# Altium PCB A_base2017.PcbDoc (part 1 of 4)
Units mil, origin at the board's own origin, x right, y up, seen from the top; angles counter-clockwise.
Board outline 7800.07 x 4185 mil, 2 copper layers (Top Layer, Bottom Layer); 147 components, 175 nets, 700 pads, 92 vias.
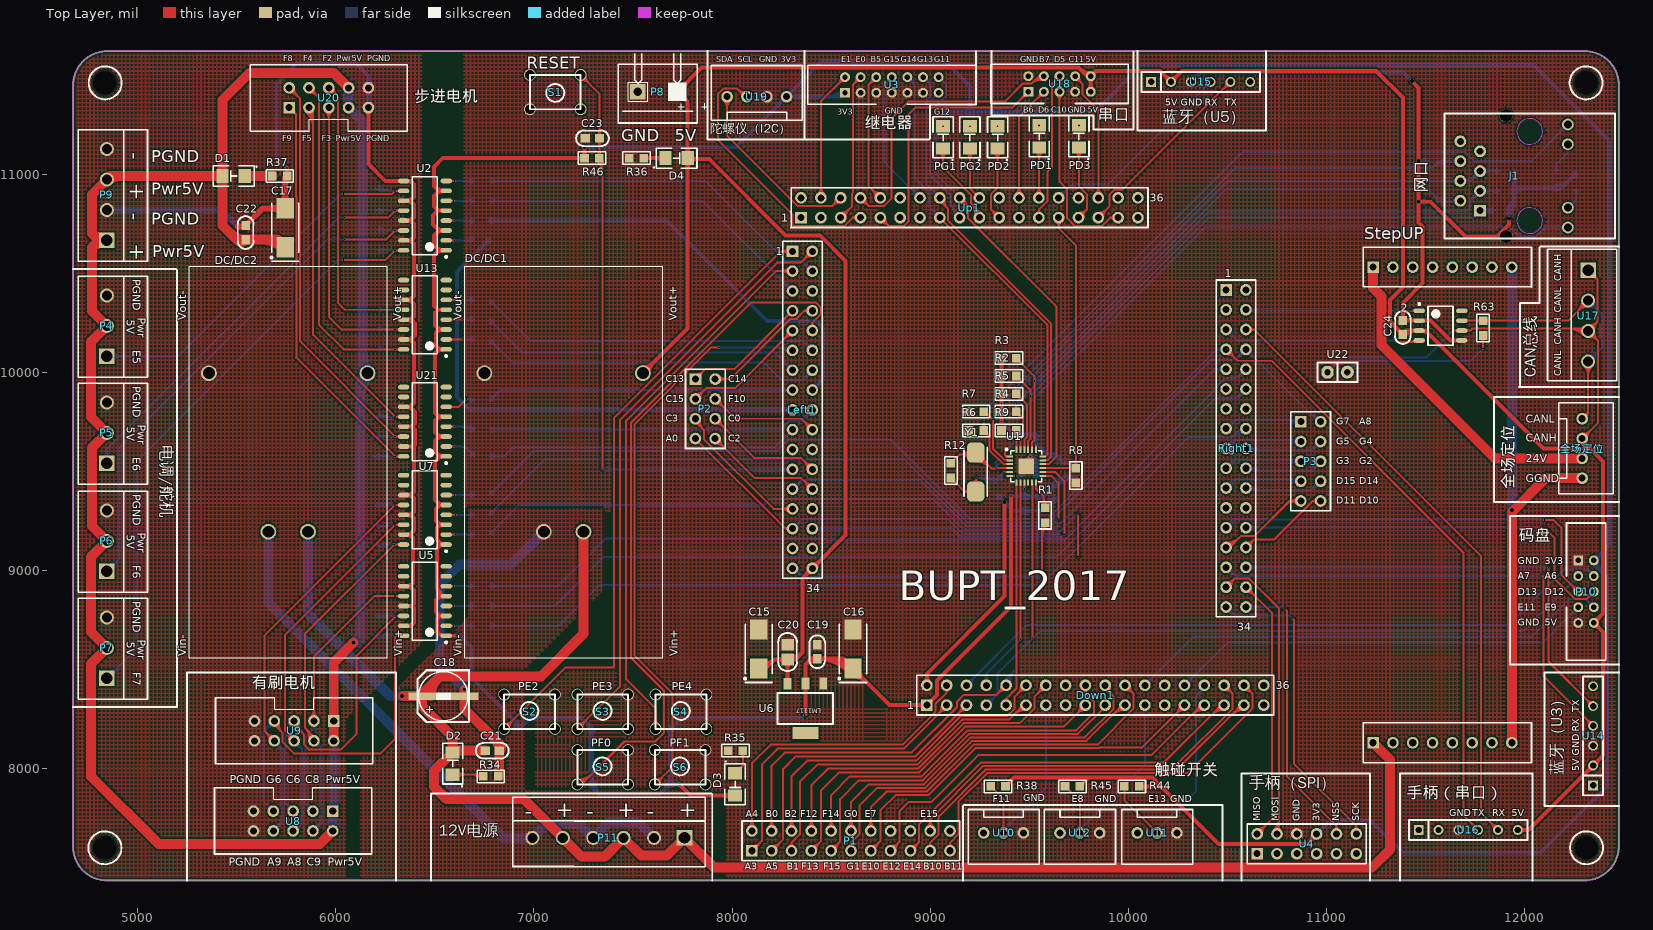
[diagram p0: Top Layer view]
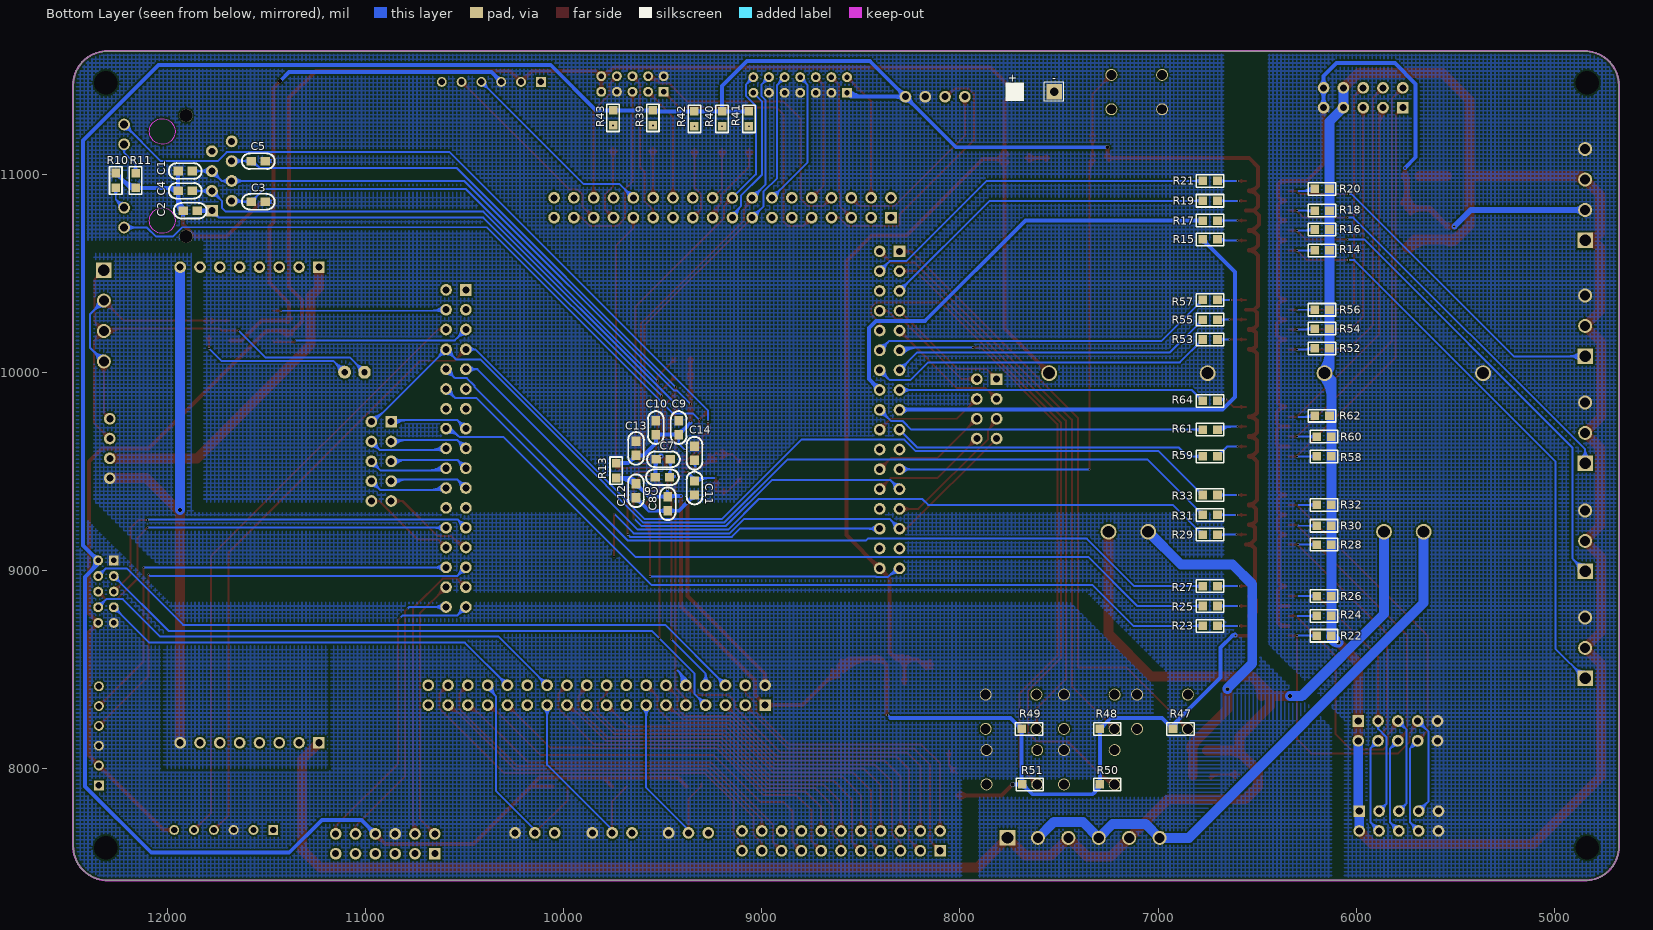
[diagram p1: Bottom Layer view, seen from below]

## Layer stack, top to bottom
Top Layer: signal copper 1.4
Dielectric: dielectric 12.6, FR-4, Dk 4.8
Bottom Layer: signal copper 1.4

## Board outline
4850,7435 cw(c4845,7605) 4674.93,7605 4675,7605 4675,11450 cw(c4847.5,11447.5) 4850,11620 12300,11620 cw(c12302.5,11447.5) 12475,11450 12475,7610 cw(c12300,7610) 12300,7435

## Design rules (kind name [scope] priority, off if disabled: settings)
Clearance [All] p1: gap=8
HoleSize [All] p1: absolutevalues=TRUE maxlimit=118.11 minlimit=1 maxpercent=80.000 minpercent=20.000
PolygonConnect [All] p1: connectstyle=Direct reliefconductorwidth=40 reliefentries=4 polygonreliefangle="45 Angle" airgapwidth=10
RoutingVias [All] p1: holewidth=10 width=50 viastyle="Through Hole" minholewidth=10 minwidth=50 maxholewidth=10 maxwidth=50
SolderMaskExpansion [All] p1: expansion=4
Width [All] p1: maxlimit=150 minlimit=8 preferedwidth=10
27 further rules are at their usual default settings.

## Components (designator, comment, footprint, x,y, rotation, side; value= is the part's Value field where it differs from the comment)
2 "TJA1050" TJA1050 11575,10235 r0 top
C1 "223" CAP-MLCC-0603 11945,11015 r180 bottom
C2 "10pF" CAP-MLCC-0603 11920,10815 r180 bottom
C3 "10pF" CAP-MLCC-0603 11505,10860 r0 bottom
C4 "10pF" CAP-MLCC-0603 11945,10915 r180 bottom
C5 "10pF" CAP-MLCC-0603 11505,11065 r0 bottom
C6 "0.1μF" CAP-MLCC-0603 9536.8,9470 r180 bottom
C7 "10μF" CAP-MLCC-0603 9531.8,9560 r180 bottom
C8 "0.1μF" CAP-MLCC-0603 9474.53,9300.79 r90 bottom
C9 "0.1μF" CAP-MLCC-0603 9419.53,9755.79 r270 bottom
C10 "0.1μF" CAP-MLCC-0603 9534.53,9755.79 r270 bottom
C11 "22pF" CAP-MLCC-0603 9339.53,9450.79 r270 bottom
C12 "0.1μF" CAP-MLCC-0603 9634.53,9365.79 r90 bottom
C13 "10μF" CAP-MLCC-0603 9634.53,9650.79 r270 bottom
C14 "22pF" CAP-MLCC-0603 9339.53,9555.79 r90 bottom
C15 "CAP-TAN" CAP-TAN-6032/CAPC 8135,8505 r270 top
C16 "CAP-TAN" CAP-TAN-6032/CAPC 8610,8505 r270 top
C17 "100uF" CAP-TAN-6032/CAPC 5745,10630 r270 top
C18 "100μF" SMD-EC-F6.3 6435,8365 r0 top
C19 "CAP" CAP-MLCC-0603 8430,8625 r270 top
C20 "CAP" CAP-MLCC-0805 8280,8625 r270 top
C21 "0.1μF" CAP-MLCC-0603 6825,8090 r180 top
C22 "0.1μF" CAP-MLCC-0603 5545,10740 r270 top
C23 "0.1μF" CAP-MLCC-0603 7260,11180 r0 top
C24 "0.1μF" CAP-MLCC-0603 11385,10190 r90 top
D1 "LED" LED-1206 5485,10990 r180 top
D2 "LED" LED-1206 6590,8025 r90 top
D3 "LED" LED-1206 8015,7920 r270 top
D4 "LED" LED-1206 7720,11080 r0 top
DC/DC1 "DC/DC" 12V→5V 6525,8920 r180 top
DC/DC2 "DC/DC" 12V→5V 5135,8920 r180 top
Down1 "Header 18X2" HDR2X18 8983.07,8319.91 r0 top
J1 "HR911105A" HR911105A 12025,10990 r270 top
Left1 "Header 17X2" HDR2X17 8305,10610 r270 top
P1 "Header 11X2" HDR2X11 8100,7585 r0 top
P2 "Header 4X2" HDR2X4 7815,9965 r270 top
P3 "Header 5X2" HDR2X5 10870,9750 r270 top
P4 "Header 3" Green_3P 4750,10155 r90 top
P5 "Header 3" Green_3P 4750,9615 r90 top
P6 "Header 3" Green_3P 4750,9070 r90 top
P7 "Header 3" Green_3P 4750,8530 r90 top
P8 "Header 2" PwrDock_Green 7625,11415 r0 top
P9 "Header 4" Green_4P 4750,10740 r90 top
P10 "Header 5X2" FC_2X5_2mm 12270,9050 r0 top
P11 "Header 6" Green_6P 7685,7555 r180 top
PD1 "LED" LED-1206 9550,11190 r90 top
PD2 "LED" LED-1206 9340,11185 r90 top
PD3 "LED" LED-1206 9750,11190 r90 top
PG1 "LED" LED-1206 9065,11185 r90 top
PG2 "LED" LED-1206 9200,11185 r90 top
R1 "510Ω" RES-0603 9580,9240 r90 top
R2 "49.9Ω" RES-0603 9434.53,9980.79 r180 top
R3 "49.9Ω" RES-0603 9434.53,10070.79 r180 top
R4 "49.9Ω" RES-0603 9434.53,9800.79 r180 top
R5 "49.9Ω" RES-0603 9434.53,9890.79 r180 top
R6 "10kΩ" RES-0603 9269.53,9705.79 r180 top
R7 "10kΩ" RES-0603 9269.53,9800.79 r180 top
R8 "10kΩ" RES-0603 9734.53,9515.79 r270 top
R9 "12.1kΩ" RES-0603 9434.53,9705.79 r180 top
R10 "510Ω" RES-0603 12260,11005 r270 bottom
R11 "510Ω" RES-0603 12160,10930 r90 bottom
R12 "1MΩ" RES-0603 9104.53,9540.79 r270 top
R13 "0Ω" RES-0603 9734.53,9465.79 r90 bottom
R14 "RES" RES-0603 6210,10615 r180 bottom
R15 "RES" RES-0603 6775,10670 r180 bottom
R16 "RES" RES-0603 6210,10720 r180 bottom
R17 "RES" RES-0603 6775,10765 r180 bottom
R18 "RES" RES-0603 6210,10815 r180 bottom
R19 "RES" RES-0603 6775,10865 r180 bottom
R20 "RES" RES-0603 6210,10925 r180 bottom
R21 "RES" RES-0603 6775,10965 r180 bottom
R22 "RES" RES-0603 6200,8670 r180 bottom
R23 "RES" RES-0603 6775,8720 r180 bottom
R24 "RES" RES-0603 6200,8770 r180 bottom
R25 "RES" RES-0603 6775,8820 r180 bottom
R26 "RES" RES-0603 6200,8870 r180 bottom
R27 "RES" RES-0603 6775,8920 r180 bottom
R28 "RES" RES-0603 6200,9130 r180 bottom
R29 "RES" RES-0603 6775,9180 r180 bottom
R30 "RES" RES-0603 6200,9225 r180 bottom
R31 "RES" RES-0603 6775,9280 r180 bottom
R32 "RES" RES-0603 6200,9330 r180 bottom
R33 "RES" RES-0603 6775,9380 r180 bottom
R34 "15KΩ" RES-0603 6820,7960 r180 top
R35 "RES" RES-0603 7980,8090 r0 top
R36 "RES" RES-0603 7555,11080 r180 top
R37 "5.1K" RES-0603 5755,10990 r180 top
R38 "RES" RES-0603 9305,7910 r0 top
R39 "RES" RES-0603 9550,11246 r90 bottom
R40 "RES" RES-0603 9200,11241 r90 bottom
R41 "RES" RES-0603 9065,11241 r90 bottom
R42 "RES" RES-0603 9340,11241 r90 bottom
R43 "RES" RES-0603 9750,11246 r90 bottom
R44 "RES" RES-0603 9980,7910 r0 top
R45 "RES" RES-0603 9680,7910 r0 top
R46 "10kΩ" RES-0603 7330,11080 r180 top
R47 "RES" RES-0603 6850,8200 r0 bottom
R48 "RES" RES-0603 7219.09,8200 r0 bottom
R49 "RES" RES-0603 7614.09,8200 r0 bottom
R50 "RES" RES-0603 7219.09,7920 r0 bottom
R51 "1K" RES-0603 7610,7920 r0 bottom
R52 "RES" RES-0603 6210,10120 r180 bottom
R53 "RES" RES-0603 6775,10165 r180 bottom
R54 "RES" RES-0603 6210,10220 r180 bottom
R55 "RES" RES-0603 6775,10265 r180 bottom
R56 "RES" RES-0603 6210,10315 r180 bottom
R57 "RES" RES-0603 6775,10365 r180 bottom
R58 "RES" RES-0603 6200,9575 r180 bottom
R59 "RES" RES-0603 6775,9575 r180 bottom
R60 "RES" RES-0603 6200,9675 r180 bottom
R61 "RES" RES-0603 6775,9710 r180 bottom
R62 "RES" RES-0603 6210,9780 r180 bottom
R63 "120Ω" RES-0603 11790,10260 r270 top
R64 "RES" RES-0603 6775,9855 r180 bottom
Right1 "Header 17X2" HDR2X17 10493.09,10415.17 r270 top
S1 "SW-PB" KEY 6980,11500 r0 top
S2 "SW-PB" KEY 7105.91,8200 r180 top
S3 "SW-PB" KEY 7475,8200 r180 top
S4 "SW-PB" KEY 7870,8200 r180 top
S5 "SW-PB" KEY 7475,7920 r180 top
S6 "SW-PB" KEY 7865.91,7920 r180 top
StepUP "DC_DC" DC_DC 11235,8130 r0 top
U1 "LAN8720A" QFN24 9484.53,9525.79 r0 top
U2 "TLP281-4" SOIC16 6450,10790 r180 top
U3 "Header 7X2" FC_2X7_2mm 8570,11410 r90 top
U4 "Header 6X2" HDR2X6 10650,7570 r0 top
U5 "TLP281-4" SOIC16 6450,8845 r180 top
U6 "tlv1117-3.3" LM1117 8380,8305 r180 top
U7 "TLP281-4" SOIC16 6450,9305 r180 top
U8 "Header 5X2" FC_2x5 5985,7785 r270 top
U9 "Header 5X2" FC_2x5 5990,8240 r270 top
U10 "Header 3" 2510_3P 9370,7675 r0 top
U11 "Header 3" 2510_3P 10145,7675 r0 top
U12 "Header 3" 2510_3P 9755,7675 r0 top
U13 "TLP281-4" SOIC16 6450,10290 r180 top
U14 "Header 6" SIP6 12345,7915 r90 top
U15 "Header 6" SIP6 10115,11465 r0 top
U16 "Header 6" SIP6 11465,7690 r0 top
U17 "Header 4" Green_4P 12415,10440 r270 top
U18 "Header 5X2" FC_2X5_2mm 9495,11415 r90 top
U19 "Header 4" 2510_4P 8175,11390 r180 top
U20 "Header 5X2" FC_2x5 5765,11335 r90 top
U21 "TLP281-4" SOIC16 6450,9750 r180 top
U22 "Header 2" SIP2 11105,10000 r180 top
Up1 "Header 18X2" HDR2X18 8348.15,10779.94 r0 top
Y1 "25MHz" Osc-6032 9229.53,9495.79 r270 top
全场定位 "Header 4" 2510_4P 12290,9565 r90 top

## Footprints (in the part's own frame and the unit in brackets; to place one, negate y for a bottom-side part, rotate by r counter-clockwise, add the part's x,y. Pads: shape width x height; smd on the part's side, far side on the other; paste and mask are expansions set on the pad)
12V→5V [mil]
  round 80 hole 60: Vin+(-725,-275) Vin-(-525,-275) Vout+(-1025,-1075) Vout-(-225,-1075)
  silkscreen extent -1125,-1615 -125,360
2510_3P [mm] "白色线座（我们用的真的是白色的！）"
  round 1.5 hole 0.9: 1(-2.54,0) 2(0,0) 3(2.54,0)
  silkscreen extent -4.54,-4 4.57,3
2510_4P [mm] "白色线座"
  round 1.5 hole 0.9: 1(-2.54,0) 2(0,0) 3(2.54,0) 4(5.08,0)
  silkscreen extent -4.54,-4 7.11,3
CAP-MLCC-0603 [mm]
  rect 1.2x1.1 smd: 1(0,0) 2(1.8,0)
  silkscreen extent -1.2,-1 3,1, body extent 0.02,-0.48 1.77,0.47, height 0.85
CAP-MLCC-0805 [mm]
  rect 1.5x1.6 smd: 1(0,0) 2(1.9,0)
  silkscreen extent -1.5,-1.2 3.4,1.2, body extent -0.15,-0.73 2.05,0.72, height 1.1
CAP-TAN-6032/CAPC [mm]
  rect 2.6x2.2 smd: 1(0,0) 2(-5,0)
  silkscreen extent -5.65,-1.87 1.8,1.75
DC_DC [mm]
  rect 1.5x1.5 hole 0.9: 1(0,0) 3(0,60.96)
  round 1.5 hole 0.9: 2(17.78,0) 3(2.54,0) 4(17.78,60.96) 5(5.08,0) 5(5.08,60.96) 7(7.62,0) 7(7.62,60.96) 9(10.16,0) 9(10.16,60.96) 11(12.7,0) 11(12.7,60.96) 13(15.24,0) 13(15.24,60.96) 22(2.54,60.96)
  silkscreen extent -1.27,-2.54 20.32,63.5
FC_2x5 [mm] "Connector; Header; 6x2 Position"
  rect 1.5x1.5 hole 0.9: 1(0,0)
  round 1.5 hole 0.9: 2(2.54,0) 3(0,-2.54) 4(2.54,-2.54) 5(0,-5.08) 6(2.54,-5.08) 7(0,-7.62) 8(2.54,-7.62) 9(0,-10.16) 10(2.54,-10.16)
  silkscreen extent -3,-15.16 5.5,5
FC_2X5_2mm [mm]
  rect 1.27x1.27 hole 0.7: 1(0,0)
  round 1.27 hole 0.7: 2(2,0) 3(0,-2) 4(2,-2) 5(0,-4) 6(2,-4) 7(0,-6) 8(2,-6) 9(0,-8) 10(2,-8)
  silkscreen extent -1.5,-12.8 3.5,4.8
FC_2X7_2mm [mm]
  rect 1.27x1.27 hole 0.7: 1(0,0)
  round 1.27 hole 0.7: 2(2,0) 3(0,-2) 4(2,-2) 5(0,-4) 6(2,-4) 7(0,-6) 8(2,-6) 9(0,-8) 10(2,-8) 11(0,-10) 12(2,-10) 13(0,-12) 14(2,-12)
  silkscreen extent -1.5,-16.8 3.5,4.8
Green_3P [mm]
  rect 2x2 hole 1.5: 1(-1.905,-2.413)
  round 1.8 hole 1.3: 2(1.995,-2.413) 3(5.895,-2.413)
  silkscreen extent -4.57,-7.62 8.38,1.27
Green_4P [mm]
  rect 2x2 hole 1.5: 1(-1.905,-2.413)
  round 1.8 hole 1.3: 2(1.995,-2.413) 3(5.895,-2.413) 4(9.795,-2.413)
  silkscreen extent -4.57,-7.62 12.28,1.27
Green_6P [mm]
  rect 2x2 hole 1.5: 1(-1.905,-2.413)
  round 1.8 hole 1.3: 2(1.995,-2.413) 3(5.895,-2.413) 4(9.795,-2.413) 5(13.695,-2.413) 6(17.595,-2.413)
  silkscreen extent -4.57,-7.63 20.12,1.27
HDR2X4 [mm] "Connector; Header; 4x2 Position"
  rect 1.5x1.5 hole 0.9: 1(0,0)
  round 1.5 hole 0.9: 2(0,2.54) 3(2.54,0) 4(2.54,2.54) 5(5.08,0) 6(5.08,2.54) 7(7.62,0) 8(7.62,2.54)
  silkscreen extent -1.27,-1.27 8.89,3.81
HDR2X5 [mm] "Connector; Header; 5x2 Position"
  rect 1.5x1.5 hole 0.9: 1(0,0)
  round 1.5 hole 0.9: 2(0,2.54) 3(2.54,0) 4(2.54,2.54) 5(5.08,0) 6(5.08,2.54) 7(7.62,0) 8(7.62,2.54) 9(10.16,0) 10(10.16,2.54)
  silkscreen extent -1.27,-1.27 11.43,3.81
HDR2X6 [mm] "Connector; Header; 6x2 Position"
  rect 1.5x1.5 hole 0.9: 1(0,0)
  round 1.5 hole 0.9: 2(0,2.54) 3(2.54,0) 4(2.54,2.54) 5(5.08,0) 6(5.08,2.54) 7(7.62,0) 8(7.62,2.54) 9(10.16,0) 10(10.16,2.54) 11(12.7,0) 12(12.7,2.54)
  silkscreen extent -1.27,-1.27 13.97,3.81
HDR2X11 [mm] "Connector; Header; 11x2 Position"
  rect 1.5x1.5 hole 0.9: 1(0,0)
  round 1.5 hole 0.9: 2(0,2.54) 3(2.54,0) 4(2.54,2.54) 5(5.08,0) 6(5.08,2.54) 7(7.62,0) 8(7.62,2.54) 9(10.16,0) 10(10.16,2.54) 11(12.7,0) 12(12.7,2.54) 13(15.24,0) 14(15.24,2.54) 15(17.78,0) 16(17.78,2.54) 17(20.32,0) 18(20.32,2.54) 19(22.86,0) 20(22.86,2.54) 21(25.4,0) 22(25.4,2.54)
  silkscreen extent -1.27,-1.27 26.67,3.81
HDR2X17 [mm] "Connector; Header; 17x2 Position"
  rect 1.5x1.5 hole 0.9: 1(0,0)
  round 1.5 hole 0.9: 2(0,2.54) 3(2.54,0) 4(2.54,2.54) 5(5.08,0) 6(5.08,2.54) 7(7.62,0) 8(7.62,2.54) 9(10.16,0) 10(10.16,2.54) 11(12.7,0) 12(12.7,2.54) 13(15.24,0) 14(15.24,2.54) 15(17.78,0) 16(17.78,2.54) 17(20.32,0) 18(20.32,2.54) 19(22.86,0) 20(22.86,2.54) 21(25.4,0) 22(25.4,2.54) 23(27.94,0) 24(27.94,2.54) 25(30.48,0) 26(30.48,2.54) 27(33.02,0) 28(33.02,2.54) 29(35.56,0) 30(35.56,2.54) 31(38.1,0) 32(38.1,2.54) 33(40.64,0) 34(40.64,2.54)
  silkscreen extent -1.27,-1.27 41.91,3.81
HDR2X18 [mm] "Connector; Header; 18x2 Position"
  rect 1.5x1.5 hole 0.9: 1(0,0)
  round 1.5 hole 0.9: 2(0,2.54) 3(2.54,0) 4(2.54,2.54) 5(5.08,0) 6(5.08,2.54) 7(7.62,0) 8(7.62,2.54) 9(10.16,0) 10(10.16,2.54) 11(12.7,0) 12(12.7,2.54) 13(15.24,0) 14(15.24,2.54) 15(17.78,0) 16(17.78,2.54) 17(20.32,0) 18(20.32,2.54) 19(22.86,0) 20(22.86,2.54) 21(25.4,0) 22(25.4,2.54) 23(27.94,0) 24(27.94,2.54) 25(30.48,0) 26(30.48,2.54) 27(33.02,0) 28(33.02,2.54) 29(35.56,0) 30(35.56,2.54) 31(38.1,0) 32(38.1,2.54) 33(40.64,0) 34(40.64,2.54) 35(43.18,0) 36(43.18,2.54)
  silkscreen extent -1.27,-1.27 44.45,3.81
HR911105A [mm]
  rect 1.524x1.524 hole 0.889: 1(4.45,-6.35)
  round 1.524 hole 0.889: 2(3.18,-8.89) 3(1.91,-6.35) 4(0.64,-8.89) 5(-0.63,-6.35) 6(-1.9,-8.89) 7(-3.17,-6.35) 8(-4.44,-8.89)
  round 1.5 hole 1.02: 9(6.6,4.9) 10(4.064,4.9) 11(-4.064,4.9) 12(-6.6,4.9)
  round 1.7 hole 1.65: 13(7.75,-3.048) 14(-7.75,-3.048)
  Keep-Out Layer circle w0.051: c5.716,0 r1.65
  Keep-Out Layer circle w0.051: c-5.714,0 r1.65
  silkscreen extent -8,-10.92 8,10.92
KEY [mil]
  round 60 hole 50: 0(0,0) 1(255.91,0) 2(0,-173.23) 3(255.91,-173.23)
  silkscreen extent 0,-173 256,0
LED-1206 [mil]
  rect 62x70 smd: 1(56,0) 2(-56,0)
  silkscreen extent -116,-51 103,51
LM1117 [mm]
  rect 1x1.5 smd: 1(-2.043,-3.148) 2(0.256,-3.148) 3(2.53,-3.123)
  rect 3.3x1.549 smd: 4(0.254,3.175)
  silkscreen extent -3.3,-1.91 3.81,2.03
Osc-6032 [mm]
  rrect50% 2.6x2.2 smd: 1(-2.5,0) 2(2.5,0)
  silkscreen extent -3.2,-1.5 3.1,1.5
PwrDock_Green [mm]
  rect 2x2 hole 1.1: 1(-2.54,0) 2(2.54,0)
  silkscreen extent -5.08,-4 6.38,4.86
QFN24 [mm]
  rect 0.8x0.25 smd: 1(-2.101,1.25) 2(-2.101,0.75) 3(-2.101,0.25) 4(-2.101,-0.25) 5(-2.101,-0.75) 6(-2.101,-1.25) 13(2.101,-1.25) 14(2.101,-0.75) 15(2.101,-0.25) 16(2.101,0.25) 17(2.101,0.75) 18(2.101,1.25)
  rect 0.25x0.8 smd: 7(-1.25,-2.101) 8(-0.75,-2.101) 9(-0.25,-2.101) 10(0.25,-2.101) 11(0.75,-2.101) 12(1.25,-2.101) 19(1.25,2.101) 20(0.75,2.101) 21(0.25,2.101) 22(-0.25,2.101) 23(-0.75,2.101) 24(-1.25,2.101)
  rect 2x2 smd: 25(0,0)
  silkscreen extent -2.66,-2 2,2.28
RES-0603 [mm]
  rect 1.1x1.1 smd: 1(0,0) 2(1.9,0)
  silkscreen extent -0.8,-0.8 2.7,0.8, body extent 0.1,-0.48 1.8,0.47, height 0.6
SIP2 [mil]
  round 65 hole 32: 1(0,0)
  oct 62x62 hole 32: 2(100,0)
  silkscreen extent -50,-50 150,50
SIP6 [mil]
  rect 50x50 hole 32: 1(0,0)
  round 50 hole 32: 2(100,0) 3(200,0) 4(300,0) 5(400,0) 6(500,0)
  silkscreen extent -50,-50 550,50
SMD-EC-F6.3 [mm]
  rect 3.5x1 smd: 1(0,0) 2(5.475,0)
  silkscreen extent -0.56,-3.31 6.04,3.31
SOIC16 [mm] "SOIC, 16-Leads, Body 9.90x3.90mm, Pitch 1.27mm, IPC Medium Density"
  oval 1.45x0.6 smd: 1(-2.725,4.445) 2(-2.725,3.175) 3(-2.725,1.905) 4(-2.725,0.635) 5(-2.725,-0.635) 6(-2.725,-1.905) 7(-2.725,-3.175) 8(-2.725,-4.445) 9(2.725,-4.445) 10(2.725,-3.175) 11(2.725,-1.905) 12(2.725,-0.635) 13(2.725,0.635) 14(2.725,1.905) 15(2.725,3.175) 16(2.725,4.445)
  silkscreen extent -2.85,-5 1.6,5.42, body extent -2,-5 2,5, height 1.75
TJA1050 [mm] "SOIC, 8-Leads, Body 4.90x3.90mm, Pitch 1.27mm, IPC Medium Density"
  oval 1.45x0.6 smd: 1(-2.725,1.905) 2(-2.725,0.635) 3(-2.725,-0.635) 4(-2.725,-1.905) 5(2.725,-1.905) 6(2.725,-0.635) 7(2.725,0.635) 8(2.725,1.905)
  silkscreen extent -2.85,-2.5 1.6,2.88, body extent -2,-2.5 2,2.5, height 1.75

## Part data
C1 C2 C3 C4 C5 C6 C7 C8 C9 C10 C11 C12 C13 C14 C21 C22 C23 C24: library part CAP
C17: library part CAP-TAN
C18: library part CAP-ELE, "电解电容"
DC/DC1 DC/DC2: "12ת5"
Down1 Up1: "Header, 18-Pin, Dual row"
Left1 Right1: "Header, 17-Pin, Dual row"
P1: "Header, 11-Pin, Dual row"
P2: "Header, 4-Pin, Dual row"
P3 P10 U8 U9 U18 U20: "Header, 5-Pin, Dual row"
P4 P5 P6 P7 U10 U11 U12: "Header, 3-Pin"
P8 U22: "Header, 2-Pin"
P9 U17 U19 全场定位: "Header, 4-Pin"
P11 U14 U15 U16: "Header, 6-Pin"
R1 R2 R3 R4 R5 R6 R7 R8 R9 R10 R11 R12 R13 R34 R37 R46 R51 R63: library part RES, "电阻"
R14 R15 R16 R17 R18 R19 R20 R21 R22 R23 R24 R25 R26 R27 R28 R29 R30 R31 R32 R33 R35 R36 R38 R39 R40 R41 R42 R43 R44 R45 R47 R48 R49 R50 R52 R53 R54 R55 R56 R57 R58 R59 R60 R61 R62 R64: "电阻"
S1 S2 S3 S4 S5 S6: "按钮"
U1: library part LAN8720, "ETH PHY"
U2 U5 U7 U13 U21: library part IC-TLP521-4, "TLP521-4,TLP281-4"
U3: "Header, 7-Pin, Dual row"
U4: "Header, 6-Pin, Dual row"
U6: library part LM1117IMP-5.0, "800mA Low-Dropout Linear Regulator"
Y1: library part C-Osc, "Crystal Oscillator"

## Free pads (board coordinates)
  round 30 hole 118.11: 0(4835,7600) 0(4835,11460) 0(12310,7600) 0(12310,11460)

## Via types
v1: diameter 10, hole 10, Top Layer to Bottom Layer, 80 vias
v2: diameter 20, hole 20, Top Layer to Bottom Layer, 11 vias
v3: diameter 12, hole 12, Top Layer to Bottom Layer, 1 vias

## Nets (pads, with @x,y where several pads share a name; then routed paths per layer and width w, separated by ;. In a path a pad name is that pad's centre, name@x,y a point inside that pad or via, vN(x,y) a via of type N, cw(c..) or ccw(c..) an arc to the next point about the centre after c; other vN are vias at no path point)
3V3: C8.2 C12.2 C16.1 C19.2 D3.1 Down1.1 P10.2 R13.1 R38.2 R39.2 R40.2 R41.2 R42.2 R43.2 R44.2 R45.2 R46.2 R47.2 R48.2 R49.2 R50.2 R51.2 U1.9 U2.1 U2.3 U2.5 U2.7 U3.1 U4.8 U5.1 U5.3 U5.5 U6.2 U7.1 U7.3 U7.5 U13.1 U13.3 U13.5 U19.1 U21.1 U21.3 U21.5 | length 26685.1
  Top Layer w10: v1(8365,8270) 8370,8275 ; 9474.69,9415.11 ccw(c9481.92,9415.11) v1(9476.8,9410) 9474.68,9412.12 U1.9@9474.68,9443.06
  Top Layer w20: 6502.38,9657.38 cw(c6540.55,9619.2) U21.3@6540.55,9673.19 ; 6502.38,9692.62 ccw(c6540.55,9730.8) U21.3@6540.55,9676.81 ; 6502.38,9757.38 cw(c6540.55,9719.2) U21.5@6540.55,9773.19 ; 6502.38,9792.62 ccw(c6540.55,9830.8) U21.5@6540.55,9776.81 ; 6502.38,10097.38 cw(c6540.55,10059.2) U13.1@6540.55,10113.19 ; 6502.38,10232.62 ccw(c6540.55,10270.8) U13.3@6540.55,10216.81 ; 6502.38,10597.38 cw(c6540.55,10559.2) U2.1@6540.55,10613.19 ; 6502.38,10632.62 ccw(c6540.55,10670.8) U2.1@6540.55,10616.81 ; 6502.38,10697.38 cw(c6540.55,10659.2) U2.3@6540.55,10713.19 ; 6502.38,10732.62 ccw(c6540.55,10770.8) U2.3@6540.55,10716.81 ; 6502.38,10897.38 cw(c6540.55,10859.2) U2.7@6540.55,10913.19 ; 6502.38,10932.62 ccw(c6540.55,10970.8) U2.7@6540.55,10916.81 ; 6510.91,8755.91 cw(c6540.55,8726.27) U5.3@6540.55,8768.19 ; 6510.91,8784.09 ccw(c6540.55,8813.73) U5.3@6540.55,8771.81 ; 6510.91,8855.91 cw(c6540.55,8826.27) U5.5@6540.55,8868.19 ; 6510.91,9215.91 cw(c6540.55,9186.27) U7.3@6540.55,9228.19 ; 6510.91,9244.09 ccw(c6540.55,9273.73) U7.3@6540.55,9231.81 ; 6510.91,9315.91 cw(c6540.55,9286.27) U7.5@6540.55,9328.19 ; 6510.91,9344.09 ccw(c6540.55,9373.73) U7.5@6540.55,9331.81 ; 6510.91,9560.91 cw(c6540.55,9531.27) U21.1@6540.55,9573.19 ; 6510.91,9589.09 ccw(c6540.55,9618.73) U21.1@6540.55,9576.81 ; 6519.45,8680.55 ccw(c6540.55,8701.66) U5.1@6540.55,8671.81 ; 6521.97,9120.49 cw(c6540.55,9101.92) U7.1@6540.55,9128.19 ; 6527.98,9137.02 ccw(c6540.55,9149.58) U7.1@6540.55,9131.81 ; U7.1@6531.48,9130 6510.74,9109.26 6510.74,8907.65 6525,8893.39 ; U13.1@6540.42,10116.81 cw(c6537.14,10162.13) 6505,10130 ; U13.3@6540.42,10213.19 ccw(c6537.14,10167.87) 6505,10200 ; U5.5@6541.08,8871.73 cw(c6547.63,8893.39) 6525,8893.39 ; U7.1@6557.28,9130 6535,9130 6510,9155 6510,9215 6525,9230 6505,9250 6505,9310 6525,9330 6500,9355 6500,9550 6525,9575 6500,9600 6500,9655 6520,9675 6500,9695 6500,9755 6520,9775 6500,9795 6500,10095 6520,10115 6505,10130 ; U13.5@6557.28,10315 6515,10315 ; U2.5@6557.28,10815 6515,10815 ; v1(6610,8670) U5.1@6557.28,8670 6530,8670 6510,8690 6510,8755 6525,8770 6505,8790 6505,8850 6525,8870 6525,8893.39 ; R46.2@7246.96,11071.76 ccw(c7227.06,11051.87) 7227.06,11080 ccw(c7227.06,11108.13) 7246.96,11088.24 ccw(c7227.06,11108.13) 7255.2,11108.13 ccw(c7283.33,11108.13) R46.2@7263.44,11088.24 ; v2@7255.2,11134.8 R46.2@7255.2,11080 6540,11080 6495,11035 6495,10940 6520,10915 6495,10890 6495,10835 6515,10815 ; v2(7735,7920) 7791,7864 D3.1@8015,7864 ; D3.1@7996.15,7849.15 ccw(c7960.3,7813.3) 7960.3,7864 ccw(c7960.3,7914.7) D3.1@7996.15,7878.85 ; U6.2@8363.07,8412.26 cw(c8346.35,8395.53) 8370,8395.53 ; U6.2@8363.07,8445.64 ccw(c8346.54,8462.18) 8369.92,8462.18 ccw(c8393.3,8462.18) U6.2@8376.77,8445.64 ; U6.2@8369.92,8428.95 8369.92,8524.92 ; 8370,8275 U6.2@8370,8428.87 ; 8370,8395.92 cw(c8393.11,8395.92) U6.2@8376.77,8412.26 ; 8394.96,8549.96 cw(c8422.61,8522.32) C19.2@8432.01,8560.27 ; C19.2@8421.76,8545.89 ccw(c8401.87,8526) 8401.87,8554.13 ccw(c8401.87,8582.27) C19.2@8421.76,8562.37 ; C19.2@8427.2,8540.85 ccw(c8412.67,8482.18) 8369.92,8524.92 ; C19.2@8438.24,8545.89 cw(c8458.13,8526) 8458.13,8554.13 cw(c8458.13,8582.27) C19.2@8438.24,8562.37 ; 8478.29,8554.13 cw(c8478.29,8381.19) C16.1@8600.59,8503.47 ; 8526.56,8554.13 cw(c8526.56,8429.46) C16.1@8614.73,8517.61 ; C16.1@8576.71,8513.99 ccw(c8522.55,8515.81) 8560.87,8554.13 ; C16.1@8586.45,8489.33 ccw(c8430.01,8332.93) C19.2@8430,8554.13 ; C16.1@8599.92,8544.62 cw(c8588.21,8581.48) 8560.87,8554.13 ; C16.1@8610,8463.82 cw(c8610,8364.4) 8680.3,8434.7 ; C16.1@8610,8483.82 cw(c8610,8432.68) C16.1@8646.16,8468.84 ; C16.1@8643.31,8497.13 ccw(c8704.71,8497.13) 8661.29,8453.71 ; Down1.1@8969.26,8306.11 ccw(c8935.93,8272.77) 8935.93,8319.91 ccw(c8935.93,8367.06) Down1.1@8969.26,8333.72 ; R38.2@9379.8,7910 9423.8,7954 9795,7954 ; v1(9406.8,9375) 9406.8,8816.8 9035,8445 9035,8371.84 Down1.1@8983.07,8319.91 8795.09,8319.91 C16.1@8610,8505 8560.87,8554.13 ; R45.2@9754.8,7910 9795,7950.2 9795,7954 ; R44.2@10055,7909.8 10165,7909.8 ; U4.8@10930.47,7670 cw(c10883.33,7670) 10916.66,7636.66 cw(c10950,7603.33) U4.8@10950,7650.47 ; U4.8@10950,7670 10900,7620 10454.8,7620 10165,7909.8 ; 6505,10130 6505,10200 ; 6505,10200 6520,10215 6500,10235 6500,10300 6515,10315 ; 6515,10315 6495,10335 6495,10590 6520,10615 6495,10640 6495,10690 6520,10715 6490,10745 6490,10790 6515,10815 ; 8369.92,8524.92 8399.13,8554.13 C19.2@8430,8554.13 ; C19.2@8430,8554.13 8560.87,8554.13 ; 9795,7954 10120.8,7954 10165,7909.8
  Bottom Layer w10: 8350,8255 v1(8365,8270) ; C8.2@9464.97,9387.26 ccw(c9449.04,9410) v1(9476.8,9410) C8.2@9476.8,9373.93 ; C8.2@9471.18,9375 C8.2@9474.53,9371.65 ; v1@9476.8,9408.33 ccw(c9509.24,9408.33) C8.2@9486.3,9385.4
  Bottom Layer w20: 6609.07,8674.91 cw(c6612.39,8657.39) 6625,8670 ; v1(6610,8670) 6625,8670 ; 6610,8675 cw(c6610,8650.86) 6627.07,8667.93 ; 6890.63,8254.37 cw(c6836.26,8200) R47.2@6913.15,8200 ; R47.2@6924.8,8211.65 ccw(c6924.8,8239.79) 6944.7,8219.89 ccw(c6964.59,8200) R47.2@6936.46,8200 ; v2(7255,11135) 8020,11135 U19.1@8275,11390 ; R48.2@7282.24,8200 ccw(c7254.11,8200) 7274,8219.89 ccw(c7293.9,8239.79) R48.2@7293.9,8211.65 ; R50.2@7285.66,7928.24 ccw(c7265.76,7948.13) 7293.9,7948.13 ccw(c7322.03,7948.13) R50.2@7302.14,7928.24 ; R48.2@7285.66,8191.76 cw(c7265.76,8171.87) 7293.9,8171.87 cw(c7322.03,8171.87) R48.2@7302.14,8191.76 ; R50.2@7305.55,7920 ccw(c7367.24,7920) 7323.62,7876.38 ; R51.2@7673.15,7920 cw(c7645.02,7920) 7664.91,7900.11 cw(c7684.8,7880.21) R51.2@7684.8,7908.35 ; R51.2@7676.56,7928.24 ccw(c7646.78,7958.02) 7688.9,7958.02 ; R49.2@7680.66,8191.76 cw(c7660.76,8171.87) 7688.9,8171.87 cw(c7717.03,8171.87) R49.2@7697.14,8191.76 ; R51.2@7688.9,7924.09 R49.2@7688.9,8200 7743.9,8255 8350,8255 ; R49.2@7688.9,8211.65 ccw(c7688.9,8239.79) 7708.79,8219.89 ccw(c7728.69,8200) R49.2@7700.55,8200 ; R51.2@7693.04,7911.76 cw(c7712.94,7891.87) 7712.94,7920 cw(c7712.94,7948.13) R51.2@7693.04,7928.24 ; v2(7735,7920) R51.2@7684.8,7920 7634.8,7870 7330,7870 7293.9,7906.1 R50.2@7293.9,7920 R48.2@7293.9,8200 7238.9,8255 6979.8,8255 R47.2@6924.8,8200 6924.8,8220.2 6685,8460 6685,8610 6625,8670 ; U19.1@8255.47,11390 cw(c8208.33,11390) 8241.66,11356.66 cw(c8275,11323.33) U19.1@8275,11370.47 ; U19.1@8275,11409.53 ccw(c8275,11456.67) 8308.34,11423.34 ccw(c8341.67,11390) U19.1@8294.53,11390 ; U19.1@8288.81,11376.19 cw(c8322.14,11342.86) 8322.14,11390 cw(c8322.14,11437.14) U19.1@8288.81,11403.81 ; 8485.5,11390 ccw(c8485.5,11494.5) U3.1@8559.39,11420.61 ; 8533.79,11390 ccw(c8533.79,11446.21) U3.1@8573.54,11406.46 ; U3.1@8570,11410 8550,11390 U19.1@8275,11390 ; R41.2@9065,11315.8 R40.2@9200,11315.8 ; R41.2@9073.24,11307.56 cw(c9093.13,11287.67) 9093.13,11315.8 cw(c9093.13,11343.94) R41.2@9073.24,11324.04 ; R40.2@9191.76,11307.56 ccw(c9171.87,11287.67) 9171.87,11315.8 ccw(c9171.87,11343.94) 9191.76,11324.04 ccw(c9171.87,11343.94) 9200,11343.94 ccw(c9228.13,11343.94) 9208.24,11324.04 ccw(c9228.13,11343.94) 9228.13,11315.8 ccw(c9228.13,11287.67) R40.2@9208.24,11307.56 ; R42.2@9331.76,11307.56 ccw(c9311.87,11287.67) 9311.87,11315.8 ccw(c9311.87,11343.94) R42.2@9331.76,11324.04 ; R42.2@9348.24,11307.56 cw(c9368.13,11287.67) 9368.13,11315.8 cw(c9368.13,11343.94) R42.2@9348.24,11324.04 ; v1(9406.8,9375) C8.2@9471.18,9375 ; 9443.07,9375 cw(c9443.07,9342.16) C8.2@9466.29,9365.38 ; 9449.72,9375 ccw(c9449.72,9398.43) C8.2@9466.29,9381.86 ; C8.2@9474.53,9371.65 9569.53,9371.65 C12.2@9634.53,9436.65 9663.66,9465.79 R13.1@9734.53,9465.79 ; C8.2@9482.77,9363.41 cw(c9502.66,9343.52) 9502.66,9371.65 cw(c9502.66,9399.79) C8.2@9482.77,9379.89 ; 9509.79,11315.8 ccw(c9509.79,11361.01) R39.2@9541.76,11329.04 ; R39.2@9545,11315.8 R42.2@9340,11315.8 R40.2@9200,11315.8 ; R39.2@9550,11320.8 R43.2@9750,11320.8 9835.8,11320.8 10065,11550 12045,11550 12425,11170 12425,9126.26 P10.2@12348.74,9050 12348.74,9032.07 12415,8965.81 12415,7909.54 12080.46,7575 11385,7575 11220,7740 11020,7740 U4.8@10950,7670 ; R39.2@9558.24,11312.56 cw(c9578.13,11292.67) 9578.13,11320.8 cw(c9578.13,11348.94) R39.2@9558.24,11329.04 ; 9611.27,9413.4 cw(c9634.53,9390.15) C12.2@9634.53,9423.03 ; C12.2@9616.03,9418.15 ccw(c9599.49,9434.68) C12.2@9622.87,9434.68 ; C12.2@9628.63,9444.52 cw(c9679.96,9393.19) 9679.96,9465.79 ; C12.2@9634.53,9450.28 ccw(c9634.53,9483.16) 9657.78,9459.91 ; C12.2@9642.77,9430.38 cw(c9728.24,9344.9) R13.1@9728.24,9465.79 ; C12.2@9646.18,9438.62 cw(c9669.56,9438.62) C12.2@9653.03,9455.16 ; R13.1@9726.29,9457.55 ccw(c9706.39,9437.65) 9706.39,9465.79 ccw(c9706.39,9493.92) R13.1@9726.29,9474.03 ; R43.2@9741.76,11312.56 ccw(c9721.87,11292.67) 9721.87,11320.8 ccw(c9721.87,11348.94) R43.2@9741.76,11329.04 ; R43.2@9758.24,11312.56 cw(c9778.13,11292.67) 9778.13,11320.8 cw(c9778.13,11348.94) R43.2@9758.24,11329.04 ; U4.8@10950,7689.53 ccw(c10950,7736.67) 10983.34,7703.34 ccw(c11016.67,7670) U4.8@10969.53,7670 ; P10.2@12348.74,9065 ccw(c12348.74,9101.21) 12374.35,9075.61 ccw(c12399.95,9050) 12363.74,9050 ccw(c12443.24,9050) 12387.02,8993.79 ; U19.1@8275,11390 8455,11570 9075,11570 9200,11445 R40.2@9200,11315.8
3V3_E: C1.2 C9.2 C10.2 C13.2 J1.4 J1.5 R2.2 R3.2 R4.2 R5.2 R13.2 U1.1 U1.19 | length 5270.6
  Top Layer w10: v1(9386.8,9605) 9376.8,9595 9376.8,9580 9381.8,9575 U1.1@9401.8,9575 ; U1.19@9533.74,9608.51 9533.74,9636.94 v1(9536.8,9640) ccw(c9544.2,9632.61) 9533.74,9632.61
  Top Layer w20: R4.2@9351.48,9792.55 cw(c9330.92,9771.99) 9360,9771.99 ; R4.2@9351.48,9809.03 ccw(c9330.92,9829.59) 9360,9829.59 ; R5.2@9351.48,9882.55 cw(c9331.59,9862.65) 9359.72,9862.65 cw(c9387.86,9862.65) R5.2@9367.96,9882.55 ; R5.2@9351.48,9899.03 ccw(c9331.59,9918.92) 9359.72,9918.92 ccw(c9387.86,9918.92) R5.2@9367.96,9899.03 ; R2.2@9351.48,9972.55 cw(c9331.59,9952.65) 9359.72,9952.65 cw(c9387.86,9952.65) R2.2@9367.96,9972.55 ; R2.2@9351.48,9989.03 ccw(c9331.59,10008.92) 9359.72,10008.92 ccw(c9387.86,10008.92) R2.2@9367.96,9989.03 ; R3.2@9351.48,10062.55 cw(c9331.59,10042.65) 9359.72,10042.65 cw(c9387.86,10042.65) R3.2@9367.96,10062.55 ; v1@9359.72,9840 R5.2@9359.72,9890.79 R2.2@9359.72,9980.79 R3.2@9359.72,10070.79 ; v1(9360,9750) R4.2@9360,9800.51 ; 9360,9773.32 cw(c9387.19,9773.32) R4.2@9367.96,9792.55 ; R4.2@9360,9801.06 v1(9360,9840) ; 9360,9828.26 ccw(c9387.19,9828.26) R4.2@9367.96,9809.03
  Bottom Layer w10: 9360,9744.45 v1(9360,9750) ; v1(9360,9840) 9427,9907 9442.46,9907 10500.26,10964.8 J1.4@11675,10964.8 11725,10964.8 ; v1(9386.8,9605) 9419.53,9637.72 C9.2@9419.53,9684.92 ; C9.2@9407.75,9671.18 cw(c9379.32,9642.75) 9419.53,9642.75 cw(c9459.73,9642.75) C9.2@9431.3,9671.18 ; v1@9534.53,9642.28 v1(9536.8,9640) ; C13.2@9634.01,9580.44 C13.2@9634.53,9579.92 ; J1.4@11657.32,10947.13 ccw(c11614.64,10904.45) 11614.64,10964.8 ccw(c11614.64,11025.16) J1.4@11657.32,10982.48 ; J1.4@11664.39,10954.2 ccw(c11638.79,10928.59) 11638.79,10964.8 ccw(c11638.79,11001.02) J1.4@11664.39,10975.41 ; J1.4@11695,10949.8 cw(c11725,10927.31) 11725,10964.8 ; J1.4@11695,10979.8 ccw(c11725,11002.3) 11725,10964.8 ; J1.5@11750,11014.8 cw(c11689.64,11014.8) 11732.32,10972.13 cw(c11775,10929.45) J1.5@11775,10989.8 ; J1.5@11760,11014.8 cw(c11723.79,11014.8) 11749.39,10989.2 cw(c11775,10963.59) J1.5@11775,10999.8 ; J1.5@11785.61,11004.2 cw(c11811.21,10978.59) 11811.21,11014.8 cw(c11811.21,11051.02) J1.5@11785.61,11025.41 ; J1.5@11792.68,10997.13 cw(c11835.36,10954.45) 11835.36,11014.8 cw(c11835.36,11075.16) J1.5@11792.68,11032.48 ; 11831.48,11014.8 ccw(c11831.48,11055.68) C1.2@11860.39,11026.78 ; 11832.44,11014.8 cw(c11832.44,10975.27) C1.2@11860.39,11003.22 ; C1.2@11873.94,11014.8 J1.5@11775,11014.8 11725,10964.8
  Bottom Layer w20: 9360,9744.45 C9.2@9419.53,9684.92 C10.2@9534.53,9684.92 v1@9534.53,9642.28 ; 9396.27,9708.18 ccw(c9419.53,9731.43) C9.2@9419.53,9698.54 ; C9.2@9401.03,9703.42 cw(c9384.49,9686.89) C9.2@9407.87,9686.89 ; C9.2@9427.77,9676.68 cw(c9447.66,9656.79) 9447.66,9684.92 cw(c9447.66,9713.06) C9.2@9427.77,9693.16 ; C10.2@9526.29,9674.71 cw(c9506.39,9654.82) 9534.53,9654.82 cw(c9562.66,9654.82) C10.2@9542.77,9674.71 ; C10.2@9526.29,9676.68 ccw(c9506.39,9656.79) 9506.39,9684.92 ccw(c9506.39,9713.06) C10.2@9526.29,9693.16 ; v1(9536.8,9640) 9596.36,9580.44 C13.2@9634.01,9580.44 ; 9605.14,9580.44 cw(c9605.14,9550.53) C13.2@9626.29,9571.68 ; 9607.65,9580.44 ccw(c9607.65,9606.8) C13.2@9626.29,9588.16 ; C13.2@9634.53,9566.3 cw(c9634.53,9533.41) 9657.78,9556.67 ; C13.2@9634.53,9579.92 9673.86,9540.59 R13.2@9734.53,9540.59 ; C13.2@9646.18,9577.95 ccw(c9669.56,9577.95) C13.2@9653.03,9561.42 ; R13.2@9726.29,9532.35 ccw(c9706.39,9512.46) 9706.39,9540.59 ccw(c9706.39,9568.72) R13.2@9726.29,9548.83
5V: 2.3 C15.1 C20.2 C24.1 D4.1 DC/DC1.Vout+ Left1.34 P8.2 P10.10 U6.3 U14.2 U15.2 U16.6 U18.9 U18.10 | length 15599
  Top Layer w10: C15.1@8135,8505 C15.1@8170,8505 ; 2.3@11467.72,10210 11500,10210 ; 2.3@11489.45,10205.38 cw(c11500,10195.65) 11500,10210 ; 2.3@11489.45,10214.62 ccw(c11500,10224.35) 11500,10210
  Top Layer w20: DC/DC1.Vout+@7550,9995 7776,10221 D4.1@7776,11075 ; DC/DC1.Vout+@7550,10025 ccw(c7550,10097.43) 7601.21,10046.21 ccw(c7652.43,9995) DC/DC1.Vout+@7580,9995 ; P8.2@7725,11385.63 cw(c7725,11314.72) 7775.14,11364.86 cw(c7825.28,11415) 7754.37,11415 cw(c7825.28,11415) 7775.14,11465.14 cw(c7725,11515.28) P8.2@7725,11444.37 ; D4.1@7761.15,11061.15 cw(c7725.3,11025.3) 7776,11025.3 cw(c7826.7,11025.3) 7790.85,11061.15 cw(c7824.28,11027.72) 7824.28,11075 ; D4.1@7761.15,11098.85 ccw(c7725.3,11134.7) 7776,11134.7 ccw(c7826.7,11134.7) D4.1@7790.85,11098.85 ; D4.1@7790.85,11090.85 ccw(c7829.11,11129.11) 7829.11,11075 ; C15.1@8141.63,8524.41 ccw(c8164.4,8564.05) 8196.72,8531.72 ; C15.1@8151.59,8541.75 ccw(c8177.88,8587.51) 8215.19,8550.19 ; C15.1@8170,8505 8215.2,8550.2 ; C20.2@8264.22,8536.39 ccw(c8230.89,8503.05) 8230.89,8550.2 ccw(c8230.89,8597.34) C20.2@8264.22,8564 ; C20.2@8266.19,8536.39 cw(c8232.86,8503.05) 8280,8503.05 cw(c8327.14,8503.05) C20.2@8293.81,8536.39 ; U6.3@8273.53,8444.66 ccw(c8257.9,8460.28) 8280,8460.28 ; U6.3@8280,8428.34 C20.2@8280,8550.2 ; 8280,8462.1 ccw(c8304.67,8462.1) U6.3@8287.22,8444.66 ; C20.2@8281.82,8549.75 ccw(c8296.93,8596.75) 8331.84,8561.84 ; C20.2@8287.94,8568.79 ccw(c8308.2,8631.8) 8355,8585 ; C20.2@8297.79,8538.75 cw(c8320.2,8522.54) 8320.2,8550.2 ; C20.2@8297.79,8561.64 ccw(c8320.2,8577.85) 8320.2,8550.2 ; Left1.34@8385.47,9010 cw(c8338.33,9010) 8371.66,8976.66 cw(c8405,8943.33) Left1.34@8405,8990.47 ; Left1.34@8405,9029.53 ccw(c8405,9076.67) 8438.34,9043.34 ccw(c8471.67,9010) Left1.34@8424.53,9010 ; 9753.75,11532.02 ccw(c9809.96,11588.24) 9809.96,11508.74 ccw(c9809.96,11544.95) 9835.57,11519.35 ccw(c9861.17,11493.74) U18.10@9824.96,11493.74 ; U18.9@9799.35,11425.61 ccw(c9773.75,11451.21) 9809.96,11451.21 ccw(c9846.17,11451.21) U18.9@9820.57,11425.61 ; U18.10@9799.35,11483.13 cw(c9773.75,11457.53) 9809.96,11457.53 cw(c9846.17,11457.53) U18.10@9820.57,11483.13 ; U18.9@9809.96,11415 U18.10@9809.96,11493.74 ; U15.2@10200,11465 ccw(c10163.79,11465) 10189.39,11490.61 ccw(c10215,11516.21) 10215,11480 ccw(c10215,11516.21) 10240.61,11490.61 ccw(c10266.21,11465) U15.2@10230,11465 ; 11361.75,10213.25 ccw(c11385,10236.51) C24.1@11385,10203.62 ; C24.1@11366.5,10208.5 cw(c11349.96,10191.97) C24.1@11373.35,10191.97 ; C24.1@11379.1,10197.87 cw(c11408.38,10168.59) 11408.38,10210 ; C24.1@11393.24,10183.73 cw(c11456.67,10120.3) 2.3@11456.67,10210 ; 2.3@11467.72,10210 11405,10210 C24.1@11385,10190 11320,10255 11320,10365 11385,10430 11385,11385 11250,11520 10270,11520 U15.2@10215,11465 10160,11520 9836.22,11520 U18.10@9809.96,11493.74 ; 2.3@11484.45,10208.19 cw(c11484.45,10166.27) 11514.09,10195.91 ; 11500,10210 12095,9615 12330,9615 ; U16.6@11965,7690 12020,7690 U14.2@12345,8015 12395,8065 12395,8688.78 P10.10@12348.74,8735.04 12395,8781.3 12395,9550 12335,9610 ; U16.6@11975.61,7679.39 cw(c12001.21,7653.79) 12001.21,7690 cw(c12001.21,7726.21) U16.6@11975.61,7700.61 ; U14.2@12330,8015 cw(c12293.79,8015) 12319.39,7989.39 cw(c12345,7963.79) U14.2@12345,8000 ; U14.2@12345,8030 ccw(c12345,8066.21) 12370.61,8040.61 ccw(c12396.21,8015) U14.2@12360,8015 ; P10.10@12348.74,8720.04 cw(c12348.74,8683.83) 12374.35,8709.43 cw(c12399.95,8735.04) 12363.74,8735.04 cw(c12399.95,8735.04) 12374.35,8760.65 cw(c12348.74,8786.25) P10.10@12348.74,8750.04 ; D4.1@7776,11075 D4.1@7776,11080 7776,11364 P8.2@7725,11415 7846.74,11536.74 9749.03,11536.74 9792.03,11493.74 U18.10@9809.96,11493.74 ; D4.1@7776,11075 7885,11075 8270,10690 8445,10690 8573,10562 8573,9178 Left1.34@8405,9010 8355,8960 8355,8585 ; 8215.2,8550.2 C20.2@8280,8550.2 ; C20.2@8280,8550.2 8320.2,8550.2 ; 8320.2,8550.2 8355,8585
12V: C18.1 C21.2 D2.1 DC/DC1.Vin+ DC/DC2.Vin+ P11.1 P11.3 P11.5 StepUP.1 | length 9261.9
  Top Layer w50: v2@6338,8365 C18.1@6435,8365 ; C18.1@6428.9,8365 cw(c6438.31,8365) C18.1@6431.65,8371.65 ; C18.1@6478.9,8365 cw(c6609.02,8365) 6517.01,8457.01 ; D2.1@6598.24,8076.76 cw(c6630.21,8044.79) 6630.21,8090 ; C21.2@6754.13,8090 6599,8090 D2.1@6590,8081 ; DC/DC1.Vin+@7250,9195 7250,8680 7035,8465 6525,8465 6430,8370 C18.1@6435,8365 ; StepUP.1@11235,8130 11320,8045 11320,7590 11230,7500 7910,7500 P11.1@7760,7650 7670,7560 7542.91,7560 P11.3@7452.91,7650 7357.91,7555 7240.83,7555 P11.5@7145.83,7650 6950.83,7845 6560,7845 6495,7910 6495,7986.67 6589.33,8081 D2.1@6590,8081 ; C18.1@6435,8365 6435,8315 6590,8160 D2.1@6590,8081
  Bottom Layer w50: DC/DC2.Vin+@5860,9195 5860,8780 6275,8365 v2(6335,8365)
24V: StepUP.3@11235,10530 全场定位.2 | length 1649.7
  Top Layer w50: StepUP.3@11235,10520 11235,10425 11277,10383 11277,10138 11850,9565 全场定位.2@12290,9565
A8: R30.1 U7.14 U8.6 U9.6 | length 2523.1
  Top Layer w10: 5757.44,8178.01 ccw(c5790,8210.57) U9.6@5790,8164.53 ; 5761.82,8173.64 cw(c5728.84,8140.66) U9.6@5775.47,8140.16 ; U9.6@5765.47,8140.27 ccw(c5695.57,8141.02) 5745,8190.45 ; U9.6@5790,8140 5790,8145.46 5745,8190.46 ; U7.14@6321.17,9225.18 ccw(c6309.54,9213.56) 6309.54,9230 ccw(c6309.54,9246.44) U7.14@6321.17,9234.82 ; U7.14@6342.72,9230 v1(6300,9230) 5745,8675 5745,8190.46
  Bottom Layer w10: U8.6@5785,7685 5830,7730 ; U8.6@5785,7699.53 ccw(c5785,7734.6) 5809.8,7709.8 ccw(c5834.6,7685) U8.6@5799.53,7685 ; U8.6@5785,7709.53 ccw(c5785,7768.74) 5826.87,7726.87 ccw(c5868.74,7685) U8.6@5809.53,7685 ; U9.6@5790,8140 5829.47,8100.53 ; U9.6@5790.62,8125.49 cw(c5791.91,8095.16) 5813.38,8116.62 cw(c5834.84,8138.09) U9.6@5804.51,8139.38 ; U9.6@5791.05,8115.49 cw(c5793.23,8064.29) 5829.47,8100.53 ; U9.6@5814.51,8138.95 ccw(c5865.71,8136.77) 5829.47,8100.53 ; 5830,7765 5830,7730 ; R30.1@6200,9225 6295,9225 v1(6300,9230) cw(c6287.93,9242.07) 6287.93,9225 ; R30.1@6211.78,9213.22 cw(c6240.21,9184.79) 6240.21,9225 cw(c6240.21,9265.21) R30.1@6211.78,9236.78 ; 5829.47,8100.53 5829.47,7769.54 5830,7769.02 5830,7730
A9: R32.1 U7.12 U8.8 U9.8 | length 2637.7
  Top Layer w10: U9.8@5665.47,8140 ccw(c5606.26,8140) 5648.13,8181.87 ccw(c5690,8223.74) U9.8@5690,8164.53 ; U9.8@5675.47,8140 ccw(c5640.4,8140) 5665.2,8164.8 ccw(c5690,8189.6) U9.8@5690,8154.53 ; U9.8@5690,8140 5640,8190 5640,8670 v1(6300,9330) U7.12@6342.72,9330 ; U7.12@6321.17,9325.18 ccw(c6309.54,9313.56) 6309.54,9330 ccw(c6309.54,9346.44) U7.12@6321.17,9334.82
  Bottom Layer w10: U8.8@5685,7685 5729.47,7729.47 5729.47,7769.54 ; U8.8@5685,7699.53 ccw(c5685,7734.6) 5709.8,7709.8 ccw(c5734.6,7685) U8.8@5699.53,7685 ; U8.8@5685,7709.53 ccw(c5685,7768.74) 5726.87,7726.87 ccw(c5768.74,7685) U8.8@5709.53,7685 ; U9.8@5690,8140 5729.47,8100.53 ; U9.8@5690.62,8125.49 cw(c5691.91,8095.16) 5713.38,8116.62 cw(c5734.84,8138.09) U9.8@5704.51,8139.38 ; U9.8@5691.05,8115.49 cw(c5693.23,8064.29) 5729.47,8100.53 ; U9.8@5714.51,8138.95 ccw(c5765.71,8136.77) 5729.47,8100.53 ; 5730,7769.02 5729.47,7769.54 ; R32.1@6200,9330 v1(6300,9330) ; R32.1@6211.78,9318.22 cw(c6240.21,9289.79) 6240.21,9330 cw(c6240.21,9370.21) R32.1@6211.78,9341.78 ; 5729.47,7769.54 5729.47,8100.53
C6: R24.1 U5.14 U8.5 U9.5 | length 2296.1
  Top Layer w10: U9.5@5790,8240 5790,8220 5840,8170 ; U9.5@5794.52,8239.68 ccw(c5844.15,8236.21) 5808.97,8201.03 ; U9.5@5804.49,8238.99 ccw(c5873.15,8234.18) 5824.48,8185.52 ; U9.5@5814.47,8238.29 ccw(c5902.15,8232.15) 5840,8170 ; U5.14@6321.17,8765.18 ccw(c6309.54,8753.56) 6309.54,8770 ccw(c6309.54,8786.44) U5.14@6321.17,8774.82 ; U5.14@6342.72,8770 v1(6305,8770) 6105,8570 6105,8175 6025,8095 5865,8095 5840,8120 5840,8170
  Bottom Layer w10: U8.5@5760.55,7786.97 ccw(c5715.55,7790.6) 5747.47,7822.53 ; U9.5@5765.47,8240 cw(c5706.26,8240) 5748.13,8198.13 cw(c5790,8156.26) U9.5@5790,8215.47 ; U8.5@5770.52,7786.17 ccw(c5743.87,7788.32) 5762.77,7807.23 ccw(c5781.68,7826.13) U8.5@5783.83,7799.48 ; U9.5@5775.47,8240 cw(c5740.4,8240) 5765.2,8215.2 cw(c5790,8190.4) U9.5@5790,8225.47 ; U8.5@5783.03,7809.45 cw(c5779.4,7854.45) 5747.47,7822.53 ; U8.5@5785,7785 5747.47,7822.53 ; U9.5@5790,8240 5747.47,8197.47 5747.47,7822.53 ; R24.1@6200,8770 v1(6305,8770) ; R24.1@6211.78,8758.22 cw(c6240.21,8729.79) 6240.21,8770 cw(c6240.21,8810.21) R24.1@6211.78,8781.78